# Altium PCB I2C_Jog_Controller.pcbdoc (part 1 of 6)
Units mm, origin at the board's own origin, x right, y up, seen from the top; angles counter-clockwise.
Board outline 94.01 x 162 mm, 4 copper layers (Top Layer, L1, L2, Bottom Layer), stack 1.606 mm thick; 147 components, 78 nets, 5389 pads, 241 vias.
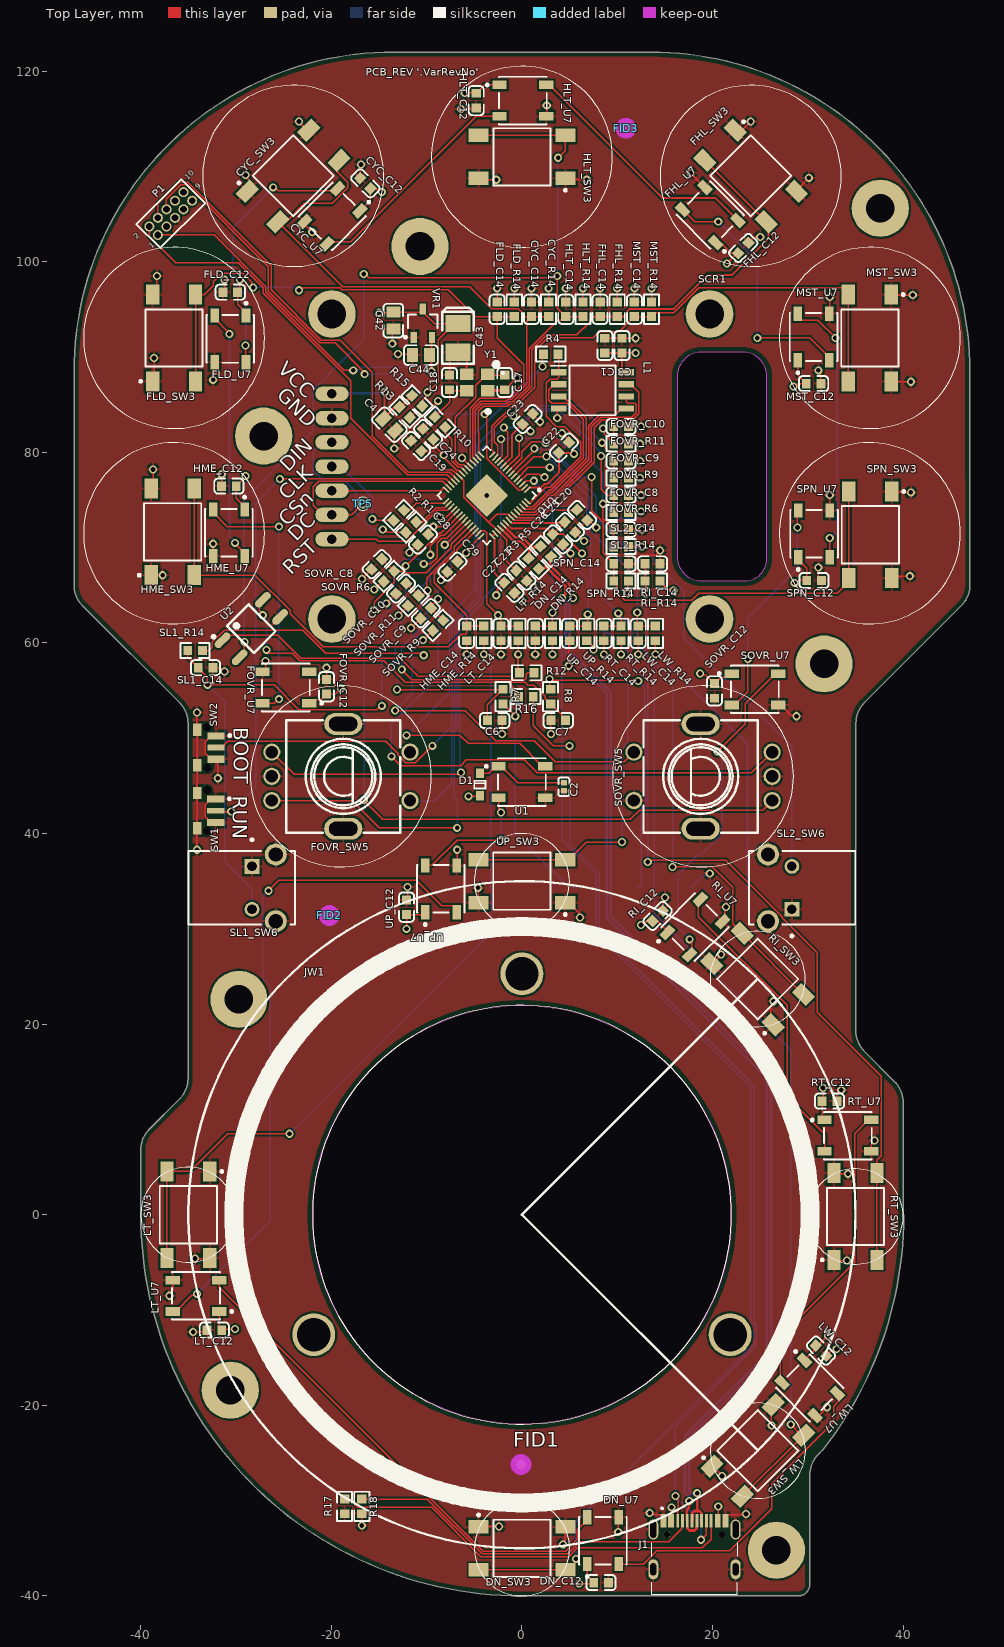
[diagram p0: Top Layer view]
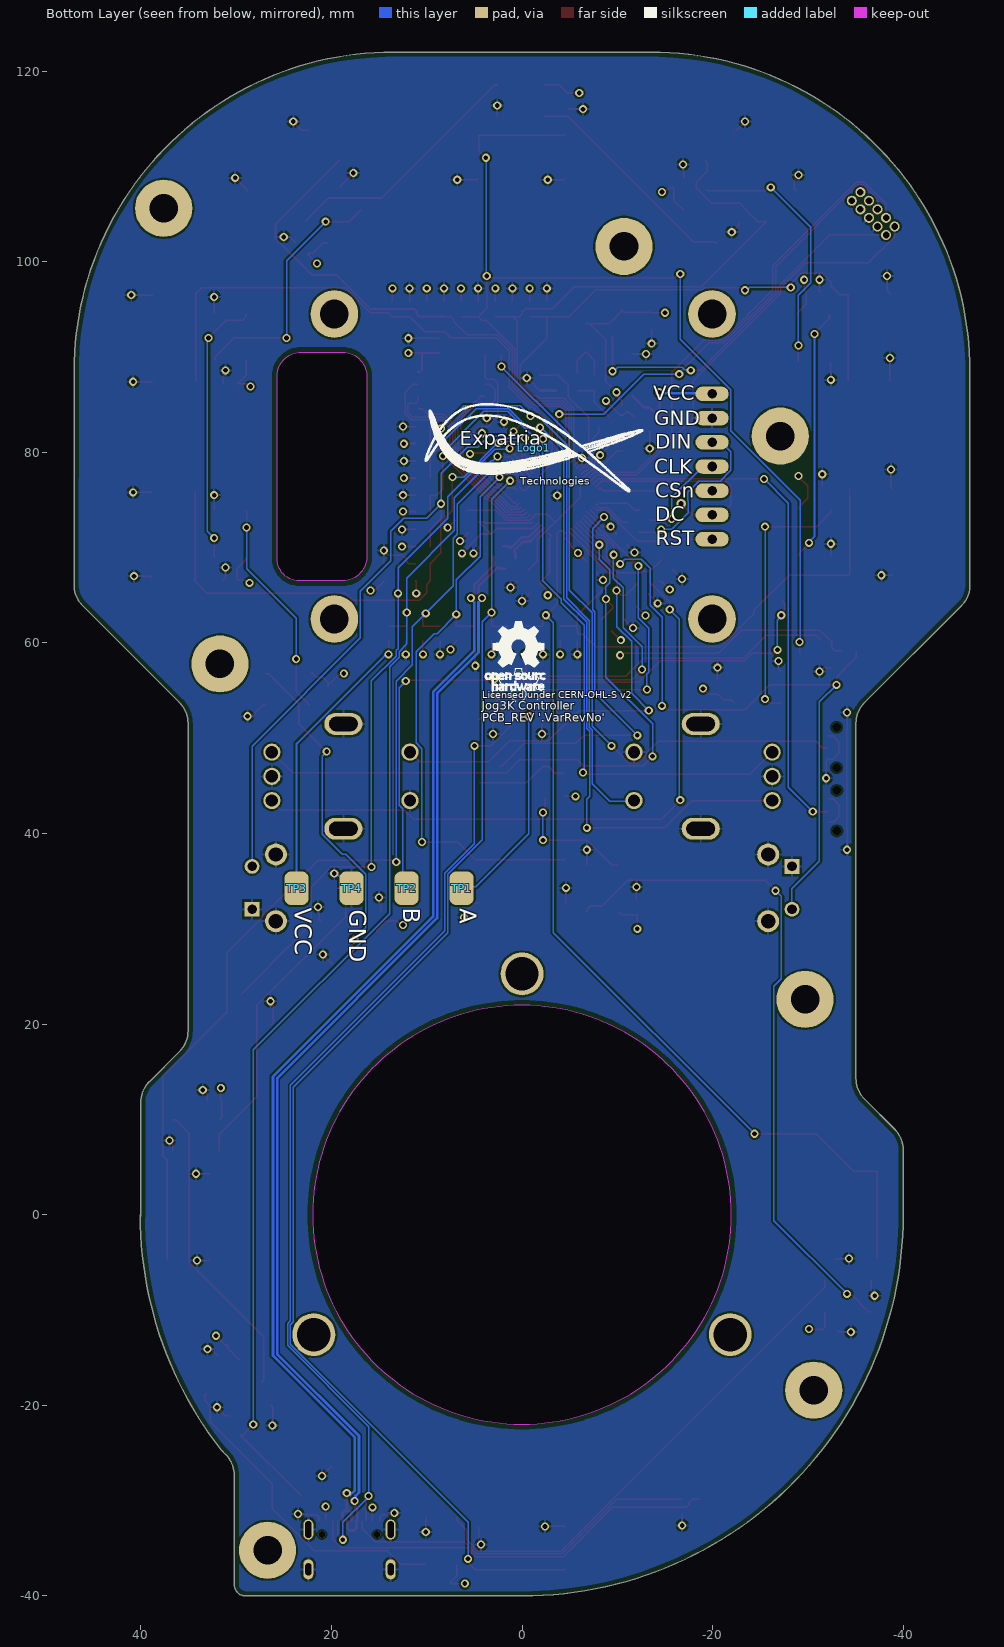
[diagram p1: Bottom Layer view, seen from below]
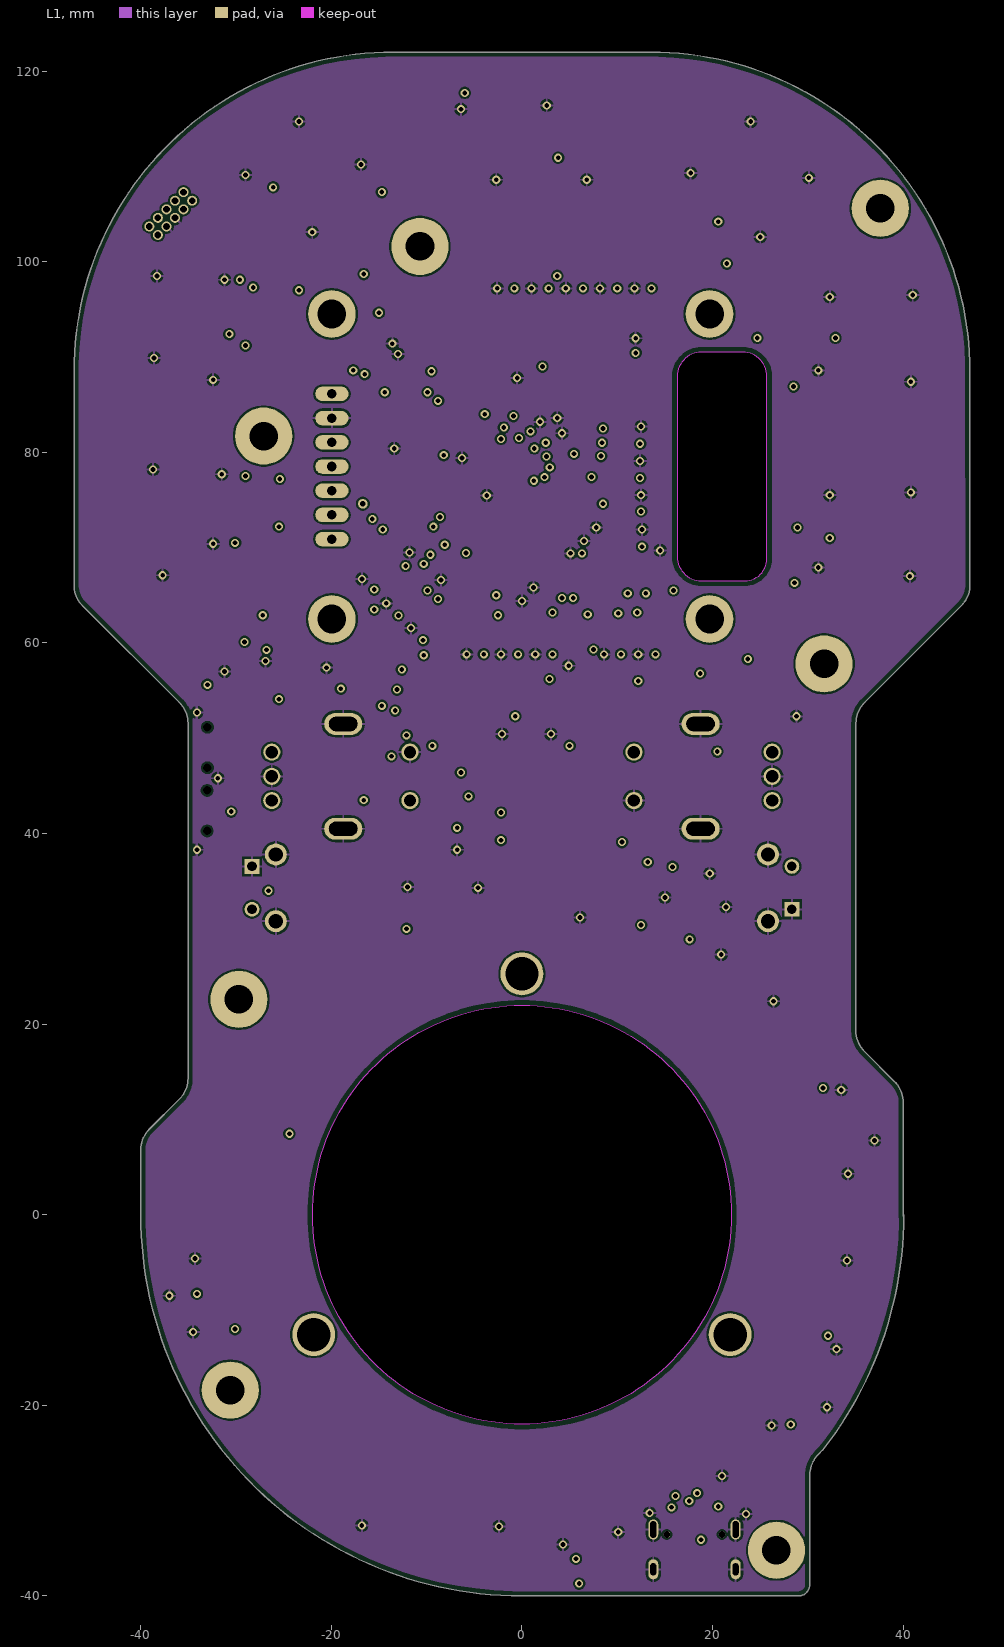
[diagram p2: L1]
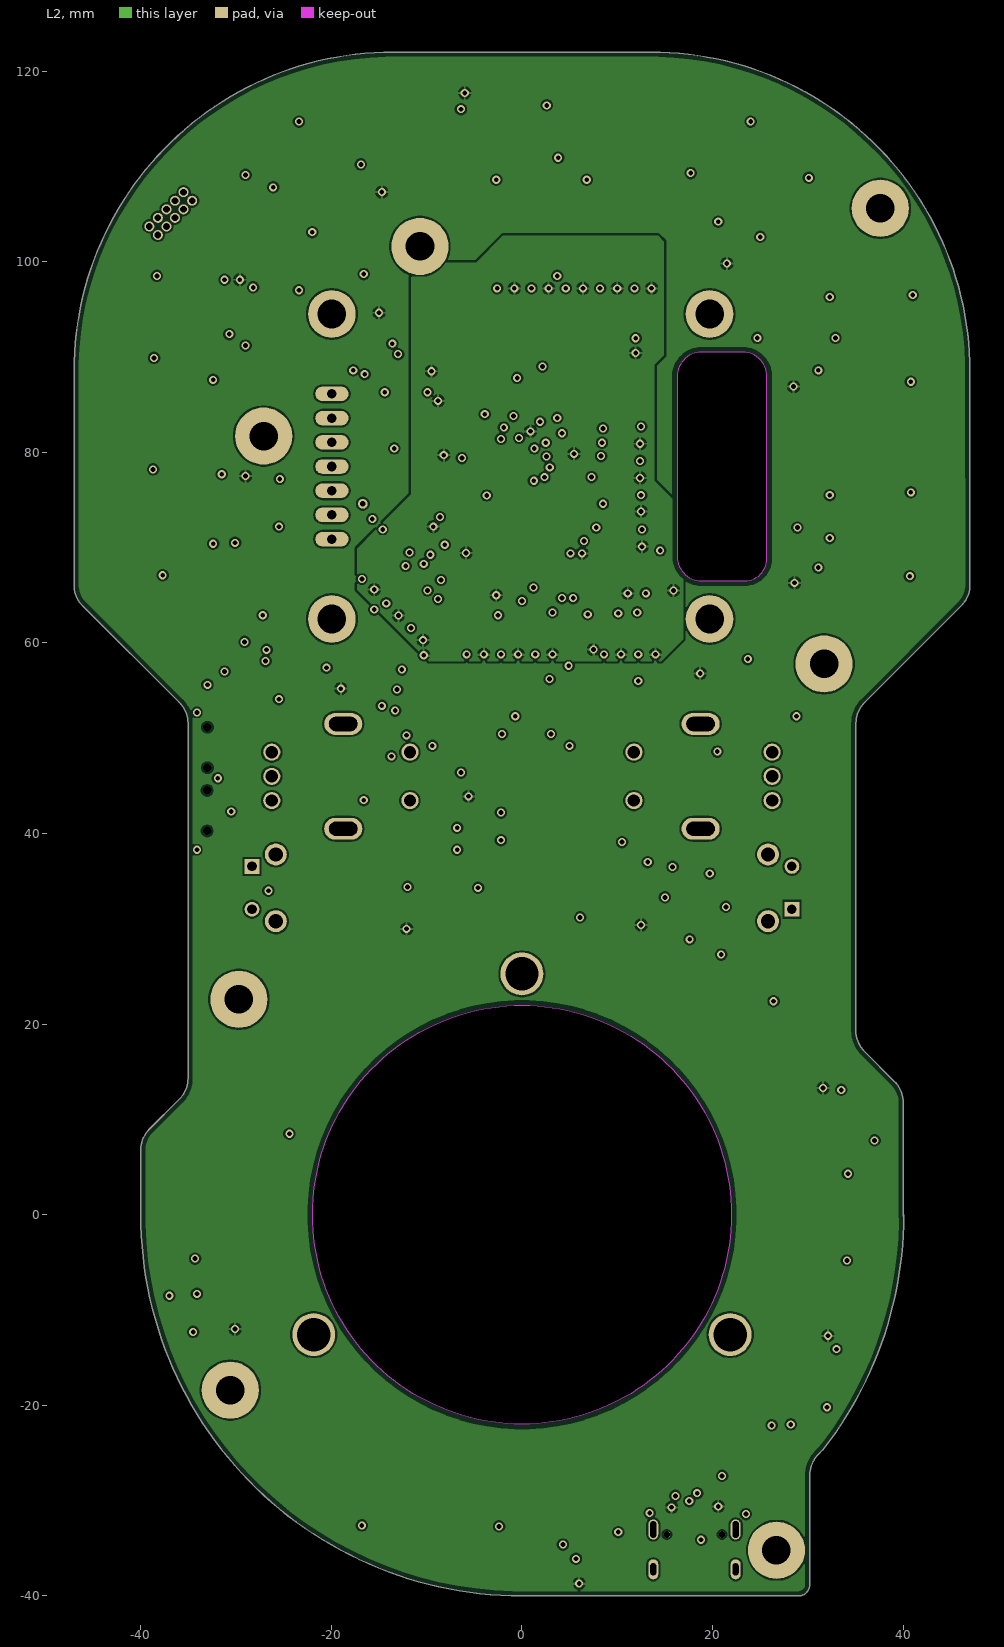
[diagram p3: L2]

## Layer stack, top to bottom
Top Solder: solder mask 0.0102, Solder Resist, Dk 3.5
Top Layer: signal copper 0.0356
Dielectric 1: prepreg 0.2, PP-006, Dk 4.1
L1: signal copper 0.035
Dielectric1: dielectric 1.065, FR-4, Dk 4.8
L2: signal copper 0.035
Dielectric 2: prepreg 0.2, PP-006, Dk 4.1
Bottom Layer: signal copper 0.0356
Bottom Solder: solder mask 0.0102, Solder Resist, Dk 3.5

## Board outline
-40,6.797 cw(c-39.998,6.797) -39.999,6.798 cw(c-36.933,6.798) -39.101,8.966 -35.935,12.132 ccw(c-38.103,14.3) -35.037,14.3 -35.037,51.567 ccw(c-38.103,51.567) -35.935,53.735 -46.102,63.902 cw(c-43.934,66.07) -47,66.07 -47,88.5 cw(c-13.5,88.5) -13.5,122 13.5,122 cw(c13.5,88.5) 47,88.5 47,66.079 47.009,66.079 cw(c43.943,66.079) 46.111,63.911 35.944,53.744 ccw(c38.112,51.576) 35.046,51.576 35.037,51.576 35.037,19.3 ccw(c38.103,19.3) 35.935,17.132 39.101,13.966 cw(c36.933,11.798) 39.999,11.798 39.999,-0.179 40.065,-0.018 cw(c0.065,-0.018) 31.55,-24.69 31.098,-25.142 ccw(c33.266,-27.31) 30.2,-27.31 30.2,-38.795 cw(c28.997,-38.795) 28.997,-39.997 28.997,-40.001 0,-40.001 cw(c0,-0.001) -40,-0.001
cut-out: 23.364,66.506 ccw(c23.364,68.842) 25.7,68.842 25.7,87.97 ccw(c23.16,87.97) 23.16,90.51 18.84,90.51 ccw(c18.84,87.97) 16.3,87.97 16.3,69.046 ccw(c18.84,69.046) 18.84,66.506 21.496,66.506

## Design rules (kind name [scope] priority, off if disabled: settings)
BoardOutlineClearance [OnLayer('Top Layer')] p1: gap=0.508 ignorepadtopadclearanceinfootprint=FALSE
BoardOutlineClearance BoardOutlineClearance_3 [OnLayer('L2')] p2: gap=0.508 ignorepadtopadclearanceinfootprint=FALSE
BoardOutlineClearance BoardOutlineClearance_2 [OnLayer('L1')] p3: gap=0.508 ignorepadtopadclearanceinfootprint=FALSE
BoardOutlineClearance BoardOutlineClearance_1 [OnLayer('Bottom Layer')] p4: gap=0.508 ignorepadtopadclearanceinfootprint=FALSE
Clearance [All] p1: gap=0.203 ignorepadtopadclearanceinfootprint=TRUE except(0: SMDPad-Hole Fill-Hole Poly-Hole Region-Hole Text-Hole; 0.127: Arc-Arc Arc-Track Track-Track; 0.152: Arc-SMDPad Arc-THPad Track-SMDPad Track-THPad; 0.254: Arc-Text Arc-Hole Track-Text Track-Hole SMDPad-Text THPad-Text Via-Via Via-Text Fill-Fill Fill-Poly Fill-Region Fill-Text Poly-Poly Poly-Region Poly-Text Region-Region Region-Text Text-Text; 0.305: SMDPad-Via THPad-Via; 0.5: THPad-Hole Via-Hole; 0.508: SMDPad-SMDPad SMDPad-THPad THPad-THPad)
Clearance "Pad Clearance" [IsPad vs IsPad] p2: gap=0.254 ignorepadtopadclearanceinfootprint=TRUE except(0: Arc-Hole Track-Hole SMDPad-Hole THPad-Hole Via-Hole Fill-Hole Poly-Hole Region-Hole Text-Hole; 0.203: Arc-Arc Arc-Track Arc-Fill Arc-Poly Arc-Region Track-Track Track-Fill Track-Poly Track-Region SMDPad-Fill SMDPad-Poly SMDPad-Region THPad-Fill THPad-Poly THPad-Region Via-Fill Via-Poly Via-Region; 0.305: SMDPad-Via THPad-Via; 0.508: SMDPad-SMDPad SMDPad-THPad THPad-THPad)
DiffPairsRouting USB_NETS [All] p1: maxlimit=0.254 minlimit=0.152 mostfreqgap=0.203 toplayer_maxgap=0.152 toplayer_prefgap=0.152 toplayer_minwidth=0.279 toplayer_maxwidth=0.279 toplayer_prefwidth=0.279 bottomlayer_maxgap=0.152 bottomlayer_prefgap=0.152 bottomlayer_minwidth=0.279 bottomlayer_maxwidth=0.279 bottomlayer_prefwidth=0.279 impedanceprofiledriven=TRUE impedanceprofileid={BF62627C-0514-4387-BC71-D33B9E8F6857} impedanceprofilevalue=90.000000 maxuncoupledlength=12.7
DiffPairsRouting [All] p2: maxlimit=0.254 minlimit=0.203 mostfreqgap=0.203 toplayer_minwidth=0.152 toplayer_maxwidth=0.381 toplayer_prefwidth=0.254 midlayer1_minwidth=0.152 midlayer1_maxwidth=0.381 midlayer1_prefwidth=0.254 midlayer2_minwidth=0.152 midlayer2_maxwidth=0.381 midlayer2_prefwidth=0.254 bottomlayer_minwidth=0.152 bottomlayer_maxwidth=0.381 bottomlayer_prefwidth=0.254 maxuncoupledlength=12.7
HoleSize [All] p1: absolutevalues=TRUE maxlimit=5.08 minlimit=0.025 maxpercent=80.000 minpercent=20.000
MinimumAnnularRing [All] p1: minimumring=0.16
MinimumSolderMaskSliver [All] p1: minsoldermaskwidth=0.127
PolygonConnect [All] p1: connectstyle=Relief reliefconductorwidth=0.254 reliefentries=4 polygonreliefangle="90 Angle" airgapwidth=0.254
RoomDefinition SPN [InComponentClass('SPN')] p1: confinementstyle=ConfineIn formatcopy=TRUE lockcomponents=FALSE outline 28.7,65.65 40.15,65.65 40.15,77.15 28.7,77.15
RoomDefinition MST [InComponentClass('MST')] p2: confinementstyle=ConfineIn formatcopy=TRUE lockcomponents=FALSE outline 28.65,86.3 40.1,86.3 40.1,97.8 28.65,97.8
RoomDefinition HME [InComponentClass('HME')] p3: confinementstyle=ConfineIn formatcopy=TRUE lockcomponents=FALSE outline -28.8,77.35 -40.25,77.35 -40.25,65.85 -28.8,65.85
RoomDefinition HLT [InComponentClass('HLT')] p4: confinementstyle=ConfineIn formatcopy=TRUE lockcomponents=FALSE outline -5.7,118.85 -5.7,107.4 5.8,107.4 5.8,118.85
RoomDefinition FLD [InComponentClass('FLD')] p5: confinementstyle=ConfineIn formatcopy=TRUE lockcomponents=FALSE outline -28.65,97.7 -40.1,97.7 -40.1,86.2 -28.65,86.2
RoomDefinition FHL [InComponentClass('FHL')] p6: confinementstyle=ConfineIn formatcopy=TRUE lockcomponents=FALSE outline 22.48,99.419 30.576,107.515 22.444,115.647 14.348,107.55
RoomDefinition CYC [InComponentClass('CYC')] p7: confinementstyle=ConfineIn formatcopy=TRUE lockcomponents=FALSE outline -14.419,107.48 -22.515,115.576 -30.647,107.444 -22.55,99.348
RoutingVias [All] p1: holewidth=0.711 width=1.27 viastyle="Through Hole" minholewidth=0.711 minwidth=1.27 maxholewidth=0.711 maxwidth=1.27 useviatemplates=TRUE viatemplateguid#1={D159A7BD-32C8-41FA-B8A9-B71945E86BB4} viatemplateguid#2={258D7197-C609-4471-9505-9E0C03CAD9C0} viatemplateguid#3={A0F372F0-0D32-4FE2-BE65-217E28AB4F04} viatemplatename#1=v85h50 viatemplatename#2=v127h71 viatemplatename#3=v60h25_2670034071
SilkToSolderMaskClearance SilkscreenOverComponentPads [IsPad] p1: minsilkscreentomaskgap=0.254 clearancetoexposedcopper=TRUE
SolderMaskExpansion [All] p1: expansion=0.102 istentingtop=FALSE
ViasUnderSMD [All] p1: allowed=FALSE
Width [All] p1: maxlimit=5.08 minlimit=0.152 preferedwidth=0.203 minimp=50.000000 maximp=50.000000 favimp=50.000000
26 further rules are at their usual default settings.

## Classes and differential pairs
net class USB_D90: USB_D_N USB_D_P
channel class PushButtonQuadrant: DN LT LW RI RT UP
channel class PushButtonside: SL1 SL2
component class SL2: SL2_C14 SL2_R14 SL2_SW6
channel class 12mm_rotary_knob: FOVR SOVR
component class SOVR: SOVR_C8 SOVR_C9 SOVR_C10 SOVR_C12 SOVR_R6 SOVR_R9 SOVR_R11 SOVR_SW5 SOVR_U7
component class SL1: SL1_C14 SL1_R14 SL1_SW6
component class FOVR: FOVR_C8 FOVR_C9 FOVR_C10 FOVR_C12 FOVR_R6 FOVR_R9 FOVR_R11 FOVR_SW5 FOVR_U7
component class HME: HME_C12 HME_C14 HME_R14 HME_SW3 HME_U7
component class UP: UP_C12 UP_C14 UP_R14 UP_SW3 UP_U7
component class RT: RT_C12 RT_C14 RT_R14 RT_SW3 RT_U7
component class LW: LW_C12 LW_C14 LW_R14 LW_SW3 LW_U7
component class SPN: SPN_C12 SPN_C14 SPN_R14 SPN_SW3 SPN_U7
component class FLD: FLD_C12 FLD_C14 FLD_R14 FLD_SW3 FLD_U7
component class MST: MST_C12 MST_C14 MST_R14 MST_SW3 MST_U7
component class CYC: CYC_C12 CYC_C14 CYC_R14 CYC_SW3 CYC_U7
component class FHL: FHL_C12 FHL_C14 FHL_R14 FHL_SW3 FHL_U7
component class HLT: HLT_C12 HLT_C14 HLT_R14 HLT_SW3 HLT_U7
component class LT: LT_C12 LT_C14 LT_R14 LT_SW3 LT_U7
component class DN: DN_C12 DN_C14 DN_R14 DN_SW3 DN_U7
channel class PushButtonBlack: CYC FHL FLD HLT HME MST SPN
component class RI: RI_C12 RI_C14 RI_R14 RI_SW3 RI_U7
component class "Jog3K Host Module": C1 C2 C3 C4 C6 C7 C17 C18 C19 C20 C21 C22 C23 C24 C25 C26 C27 C28 C29 C42 C43 C44 D1 J1 JW1 L1 P1 R1 R2 R3 R4 R5 R7 R8 R10 R12 R13 R15 R16 R17 R18 R? SCR1 SW1 SW2 TP1 TP2 TP3 TP4 TP5 U1 U2 U10 VR1 Y1
differential pair USB_D_R: +USB_D_R_P -USB_D_R_N
differential pair USB_D: +USB_D_P -USB_D_N

## Components (designator, comment, footprint, x,y, rotation, side; value= is the part's Value field where it differs from the comment)
C1 "100nF" 0603_C 8.7,91.2 r270 top
C2 "1.0uF" 0402_C 4.4,44.9 r90 top
C3 "4.7uF" 0603_C 10.5,91.2 r270 top
C4 "22uF" 0805_C -13.9,82.9 r135 top
C6 "100nF" 0603_C -2.86,51.868 r180 top
C7 "100nF" 0603_C 3.81,51.867 r0 top
C17 "10pF" 0603_C -1.8,87.33 r270 top
C18 "10pF" 0603_C -7.6,87.33 r90 top
C19 "100nF" 0603_C -11.095,80.668 r315 top
C20 "100nF" 0603_C 6.316,73.417 r135 top
C21 "1uF" 0603_C -0.048,67.053 r135 top
C22 "1uF" 0603_C 4.4,80.5 r225 top
C23 "100nF" 0603_C 0.6,83.5 r225 top
C24 "100nF" 0603_C -9.845,81.918 r315 top
C25 "100nF" 0603_C 5.043,72.144 r135 top
C26 "100nF" 0603_C 3.77,70.871 r135 top
C27 "100nF" 0603_C -1.321,65.78 r135 top
C28 "100nF" 0603_C -10.383,70.841 r45 top
C29 "100nF" 0603_C -7.3,68 r45 top
C42 "22uF" 0805_C -13.5,93.82 r90 top
C43 "100uF" CASE-B_3528 -6.7,92 r90 top
C44 "22uF" 0805_C -10.6,90.2 r0 top
CYC_C12 "1uF" 0603_C -16.434,108.222 r315 top (schematic designator C12)
CYC_C14 "100nF" 0603_C 1,95 r90 top locked (schematic designator C14)
CYC_R14 "1KΩ ±1%" 0603_R 2.8,95 r270 top locked (schematic designator R14)
CYC_SW3 "K2-1102SP-C4SC-04" TECO-FSM4JSMATR_V -24,109 r135 top (schematic designator SW3)
CYC_U7 "WS2812B-B/W" ADA-RGB-1655_V -19.899,104.757 r225 top (schematic designator U7)
D1 "1N4148WS T4" SOD-323 -4.408,45.141 r270 top
DN_C12 "1uF" 0603_C 8.3,-38.6 r180 top (schematic designator C12)
DN_C14 "1uF" 0603_C 1.4,61 r270 top locked (schematic designator C14)
DN_R14 "1KΩ ±1%" 0603_R 3.2,61 r90 top locked (schematic designator R14)
DN_SW3 "K2-1102SP-C4SC-04" TECO-FSM4JSMATR_V -0.002,-35 r90 top (schematic designator SW3)
DN_U7 "WS2812B-B/W" ADA-RGB-1655_V 8.498,-34.2 r90 top (schematic designator U7)
FHL_C12 "1uF" 0603_C 23.222,101.434 r225 top (schematic designator C12)
FHL_C14 "100nF" 0603_C 8.2,95 r90 top locked (schematic designator C14)
FHL_R14 "1KΩ ±1%" 0603_R 10,95 r270 top locked (schematic designator R14)
FHL_SW3 "K2-1102SP-C4SC-04" TECO-FSM4JSMATR_V 24,109 r45 top (schematic designator SW3)
FHL_U7 "WS2812B-B/W" ADA-RGB-1655_V 19.757,104.899 r135 top (schematic designator U7)
FID1 "Fiducial" Fiducial10-20 -0.1,-26.2 r90 top
FID2 "Fiducial" Fiducial10-20 -20.2,31.4 r90 top
FID3 "Fiducial" Fiducial10-20 10.9,114 r90 top
FLD_C12 "1uF" 0603_C -30.6,96.8 r0 top (schematic designator C12)
FLD_C14 "100nF" 0603_C -2.6,95 r90 top locked (schematic designator C14)
FLD_R14 "1KΩ ±1%" 0603_R -0.8,95 r270 top locked (schematic designator R14)
FLD_SW3 "K2-1102SP-C4SC-04" TECO-FSM4JSMATR_V -36.5,92 r180 top (schematic designator SW3)
FLD_U7 "WS2812B-B/W" ADA-RGB-1655_V -30.6,91.9 r270 top (schematic designator U7)
FOVR_C8 "100nF" 0603_C 10.4,75.5 r0 top (schematic designator C8)
FOVR_C9 "100nF" 0603_C 10.4,79.1 r180 top (schematic designator C9)
FOVR_C10 "100nF" 0603_C 10.4,82.7 r180 top (schematic designator C10)
FOVR_C12 "1uF" 0603_C -20.5,55.4 r270 top (schematic designator C12)
FOVR_R6 "1KΩ ±1%" 0603_R 10.4,73.7 r180 top (schematic designator R6)
FOVR_R9 "1KΩ ±1%" 0603_R 10.4,77.3 r180 top (schematic designator R9)
FOVR_R11 "1KΩ ±1%" 0603_R 10.4,80.9 r180 top (schematic designator R11)
FOVR_SW5 "15ppr encoder" SW-TH_EC11E15244G1 -19,46 r270 top (schematic designator SW5)
FOVR_U7 "WS2812B-B/W" ADA-RGB-1655_V -24.766,55.321 r180 top (schematic designator U7)
HLT_C12 "1uF" 0603_C -4.8,116.9 r90 top (schematic designator C12)
HLT_C14 "100nF" 0603_C 4.6,95 r90 top locked (schematic designator C14)
HLT_R14 "1KΩ ±1%" 0603_R 6.4,95 r270 top locked (schematic designator R14)
HLT_SW3 "K2-1102SP-C4SC-04" TECO-FSM4JSMATR_V 0,111 r270 top (schematic designator SW3)
HLT_U7 "WS2812B-B/W" ADA-RGB-1655_V 0.1,116.9 r0 top (schematic designator U7)
HME_C12 "1uF" 0603_C -30.75,76.45 r0 top (schematic designator C12)
HME_C14 "100nF" 0603_C -5.8,61 r270 top locked (schematic designator C14)
HME_R14 "1KΩ ±1%" 0603_R -4,61 r90 top locked (schematic designator R14)
HME_SW3 "K2-1102SP-C4SC-04" TECO-FSM4JSMATR_V -36.65,71.65 r180 top (schematic designator SW3)
HME_U7 "WS2812B-B/W" ADA-RGB-1655_V -30.75,71.55 r270 top (schematic designator U7)
J1 "TYPE-C-31-M-12" HRO_TYPE-C-31-M-12 18.1,-37.2 r0 top
JW1 "60mm Jog Wheel" 60mm_Jog_wheel 0,0 r0 top locked
L1 "W25Q16JVSSIQ" SOIC127P780X195-8N 7.4,86.5 r0 top
Logo1 "Expatria" Expatria-Logo -1129.049,1186.885 r180 bottom value="SBT LOGO"
LT_C12 "1uF" 0603_C -32.27,-12.101 r0 top (schematic designator C12)
LT_C14 "1uF" 0603_C -2.2,61 r270 top locked (schematic designator C14)
LT_R14 "1KΩ ±1%" 0603_R -0.4,61 r90 top locked (schematic designator R14)
LT_SW3 "K2-1102SP-C4SC-04" TECO-FSM4JSMATR_V -35,-0.001 r0 top (schematic designator SW3)
LT_U7 "WS2812B-B/W" ADA-RGB-1655_V -34.2,-8.501 r180 top (schematic designator U7)
LW_C12 "1uF" 0603_C 31.379,-14.258 r135 top (schematic designator C12)
LW_C14 "1uF" 0603_C 12.2,61 r270 top locked (schematic designator C14)
LW_R14 "1KΩ ±1%" 0603_R 14,61 r90 top locked (schematic designator R14)
LW_SW3 "K2-1102SP-C4SC-04" TECO-FSM4JSMATR_V 24.753,-24.744 r135 top (schematic designator SW3)
LW_U7 "WS2812B-B/W" ADA-RGB-1655_V 30.198,-18.168 r315 top (schematic designator U7)
MST_C12 "1uF" 0603_C 30.6,87.2 r180 top (schematic designator C12)
MST_C14 "100nF" 0603_C 11.8,95 r90 top locked (schematic designator C14)
MST_R14 "1KΩ ±1%" 0603_R 13.6,95 r270 top locked (schematic designator R14)
MST_SW3 "K2-1102SP-C4SC-04" TECO-FSM4JSMATR_V 36.5,92 r0 top (schematic designator SW3)
MST_U7 "WS2812B-B/W" ADA-RGB-1655_V 30.6,92.1 r90 top (schematic designator U7)
P1 "62201021121" 62201021121 -36.851,105.047 r45 top
R1 "22Ω ±1%" 0603_R -11.634,72.135 r45 top
R2 "22Ω ±1%" 0603_R -12.928,73.387 r45 top
R3 "22Ω ±1%" 0603_R 1.224,68.325 r135 top
R4 "1KΩ ±1%" 0603_R 3.03,90.3 r0 top
R5 "22Ω ±1%" 0603_R 2.497,69.598 r135 top
R7 "470Ω ±1%" 0603_R -1.99,54.367 r270 top
R8 "470Ω ±1%" 0603_R 3.01,54.367 r90 top
R10 "470Ω ±1%" 0603_R -8.595,83.168 r315 top
R12 "470Ω ±1%" 0603_R 0.51,56.867 r180 top
R13 "0Ω ±1%" 0603_R -12.3,84.2 r315 top
R15 "0Ω ±1%" 0603_R -11,85.4 r135 top
R16 "0Ω ±1%" 0603_R 0.41,54.367 r180 top
R17 "5.1KΩ ±1%" 0603_R -18.605,-30.601 r270 top
R18 "5.1KΩ ±1%" 0603_R -16.805,-30.601 r270 top
RI_C12 "1uF" 0603_C 14.241,31.362 r225 top (schematic designator C12)
RI_C14 "1uF" 0603_C 13.7,68.3 r0 top locked (schematic designator C14)
RI_R14 "1KΩ ±1%" 0603_R 13.7,66.5 r180 top locked (schematic designator R14)
RI_SW3 "K2-1102SP-C4SC-04" TECO-FSM4JSMATR_V 24.728,24.736 r225 top (schematic designator SW3)
RI_U7 "WS2812B-B/W" ADA-RGB-1655_V 18.152,30.181 r45 top (schematic designator U7)
RT_C12 "1uF" 0603_C 32.27,11.921 r180 top (schematic designator C12)
RT_C14 "1uF" 0603_C 8.6,61 r270 top locked (schematic designator C14)
RT_R14 "1KΩ ±1%" 0603_R 10.4,61 r90 top locked (schematic designator R14)
RT_SW3 "K2-1102SP-C4SC-04" TECO-FSM4JSMATR_V 35,-0.179 r180 top (schematic designator SW3)
RT_U7 "WS2812B-B/W" ADA-RGB-1655_V 34.2,8.3 r0 top (schematic designator U7)
SCR1 "1.5inch OLED" 1.5inch_Waveshare_OLED 0,78 r0 top locked
SL1_C14 "100nF" 0603_C -33.2,57.4 r0 top (schematic designator C14)
SL1_R14 "1KΩ ±1%" 0603_R -34.3,59.2 r180 top (schematic designator R14)
SL1_SW6 "B3F-3152" FP-B3F-3152-MFG -29.4,34.3 r270 top (schematic designator SW6)
SL2_C14 "100nF" 0603_C 10.4,71.9 r0 top (schematic designator C14)
SL2_R14 "1KΩ ±1%" 0603_R 10.4,70.1 r180 top (schematic designator R14)
SL2_SW6 "B3F-3152" FP-B3F-3152-MFG 29.4,34.3 r90 top (schematic designator SW6)
SOVR_C8 "100nF" 0603_C -15.233,68.259 r225 top (schematic designator C8)
SOVR_C9 "100nF" 0603_C -10.087,63.114 r45 top (schematic designator C9)
SOVR_C10 "100nF" 0603_C -12.679,65.705 r45 top (schematic designator C10)
SOVR_C12 "1uF" 0603_C 20.2,54.97 r90 top (schematic designator C12)
SOVR_R6 "1KΩ ±1%" 0603_R -13.96,66.986 r45 top (schematic designator R6)
SOVR_R9 "1KΩ ±1%" 0603_R -8.815,61.841 r45 top (schematic designator R9)
SOVR_R11 "1KΩ ±1%" 0603_R -11.406,64.432 r45 top (schematic designator R11)
SOVR_SW5 "15ppr encoder" SW-TH_EC11E15244G1 19,46 r90 top (schematic designator SW5)
SOVR_U7 "WS2812B-B/W" ADA-RGB-1655_V 24.449,55.133 r0 top (schematic designator U7)
SPN_C12 "1uF" 0603_C 30.65,66.55 r180 top (schematic designator C12)
SPN_C14 "100nF" 0603_C 10.4,68.3 r0 top locked (schematic designator C14)
SPN_R14 "1KΩ ±1%" 0603_R 10.4,66.5 r180 top locked (schematic designator R14)
SPN_SW3 "K2-1102SP-C4SC-04" TECO-FSM4JSMATR_V 36.55,71.35 r0 top (schematic designator SW3)
SPN_U7 "WS2812B-B/W" ADA-RGB-1655_V 30.65,71.45 r90 top (schematic designator U7)
SW1 "SKRTLAE010" ALPS-SKRTLAE010_V -33.1,42.4 r270 top
SW2 "SKRTLAE010" ALPS-SKRTLAE010_V -33.075,49.025 r270 top
TP1 "2.5mm TP" TP_SQ_2.5mm 6.341,34.258 r180 bottom value="Test Loop"
TP2 "2.5mm TP" TP_SQ_2.5mm 12.114,34.258 r180 bottom value="Test Loop"
TP3 "2.5mm TP" TP_SQ_2.5mm 23.659,34.258 r0 bottom value="Test Loop"
TP4 "2.5mm TP" TP_SQ_2.5mm 17.886,34.258 r0 bottom value="Test Loop"
TP5 "TESTPOINT" TP/SMALL -16.7,74.6 r90 top value=Testpoint
U1 "WS2812B-B/W" ADA-RGB-1655_V 0,45.4 r0 top
U2 "EL357N(B)(TA)-G" SOP-4_P2.54 -28.4,61.5 r45 top
U10 "RP2040" RP2040 -3.695,75.468 r225 top
UP_C12 "1uF" 0603_C -12.107,32.27 r270 top (schematic designator C12)
UP_C14 "1uF" 0603_C 5,61 r270 top locked (schematic designator C14)
UP_R14 "1KΩ ±1%" 0603_R 6.8,61 r90 top locked (schematic designator R14)
UP_SW3 "K2-1102SP-C4SC-04" TECO-FSM4JSMATR_V -0.007,35 r270 top (schematic designator SW3)
UP_U7 "WS2812B-B/W" ADA-RGB-1655_V -8.507,34.2 r90 top (schematic designator U7)
VR1 "XC6206P332MR" SOT-23-3L -10.4,93.538 r270 top
Y1 "YSX321SL" YSX321SL -4.7,87.33 r180 top

## Footprints (in the part's own frame and the unit in brackets; to place one, negate y for a bottom-side part, rotate by r counter-clockwise, add the part's x,y. Pads: shape width x height; smd on the part's side, far side on the other; paste and mask are expansions set on the pad)
1.5inch_Waveshare_OLED [mm]
  oval 3.5x1.524 hole 1: 1(-19.939,8.128) 2(-19.939,5.588) 3(-19.939,3.048) 4(-19.939,0.508) 5(-19.939,-2.032) 6(-19.939,-4.572) 7(-19.939,-7.112)
  round 5 hole 3: 8(-19.939,16.51) 9(19.685,16.51) 10(19.685,-15.494) 11(-19.939,-15.494)
  body extent -22.63,-18.2 22.37,19.3, height 11.9
60mm_Jog_wheel [mm]
  round 4.5 hole 3.5: MNT1(0,25.273) MNT2(21.844,-12.573) MNT3(-21.844,-12.573)
  Top Layer keep-out circle w0.5: c0,0 r30.227
  Keep-Out Layer board cut-out: 0,-21.971 -8.408,-20.299 -15.536,-15.536 -20.299,-8.408 -21.971,0 -21.971,0 -20.299,8.408 -15.536,15.536 -8.408,20.299 0,21.971 0,21.971 8.408,20.299 15.536,15.536 20.299,8.408 21.971,0 21.971,0 20.299,-8.408 15.536,-15.536 8.408,-20.299 0,-21.971
  silkscreen extent -30.23,-30.22 30.23,30.22, body extent -30.17,-30.18 30.17,30.17, height 38.35
0402_C [mm]
  rect 0.6x0.65 smd mask+0.051: 1(-0.425,0) 2(0.425,0)
  silkscreen extent -0.97,-0.58 0.98,0.58, body extent -0.48,-0.3 0.52,0.3, height 0.2
0603_C [mm]
  rect 0.93x0.98 smd: 1(-0.77,0) 2(0.77,0)
  silkscreen extent -1.54,-0.79 1.54,0.79, body extent -0.8,-0.4 0.8,0.4, height 0.3
0603_R [mm]
  rect 0.93x0.98 smd: 1(-0.77,0) 2(0.77,0)
  silkscreen extent -1.53,-0.79 1.54,0.79, body extent -0.85,-0.4 0.85,0.4, height 0.56
0805_C [mm]
  rect 1.16x1.47 smd: 1(-0.89,0) 2(0.89,0)
  silkscreen extent -1.77,-1.04 1.77,1.04, body extent -1,-0.62 1,0.63, height 0.77
62201021121 [mm] "Pin Header, pitch 1.27 mm, THT, Vertical, dual row, 10p"
  round 1.05 hole 0.7: 1(-2.54,-0.635) 2(-2.54,0.635) 3(-1.27,-0.635) 4(-1.27,0.635) 5(0,-0.635) 6(0,0.635) 7(1.27,-0.635) 8(1.27,0.635) 9(2.54,-0.635) 10(2.54,0.635)
  silkscreen extent -3.32,-1.77 3.32,1.77, body extent -3.17,-1.7 3.18,1.7, height 5.33
ADA-RGB-1655_V [mm] "SMD, 4-Leads, Body 5x5mm"
  rect 1.5x0.9 smd: 1(-2.45,1.65) 2(-2.45,-1.65) 3(2.45,-1.65) 4(2.45,1.65)
  silkscreen extent -3.87,-2.5 2.5,2.5, body extent -2.7,-2.5 2.7,2.5, height 1.68
ALPS-SKRTLAE010_V [mm] "SMD, 3-Leads, Body 4.5x3.55mm, Pitch 1.225mm"
  rect 0.75x1.8 smd: 1(-1.225,0.975) 3(1.225,0.975)
  rect 0.6x1.8 smd: 2(0,0.975)
  round 0 hole 0.9 unplated: MH1(-2.125,0.075) MH2(2.125,0.075)
  rect 1.3x0.9 smd: MP1(-1.85,-0.975) MP2(1.85,-0.975)
  silkscreen extent -1.38,2.3 -1.13,2.55, body extent -2.25,-1.94 2.25,1.61, height 3.36
CASE-B_3528 [mm]
  rect 1.8x2.6 smd: 1(1.5,0) 2(-1.5,0)
  silkscreen extent -2.73,-1.65 3.16,1.65, body extent -1.85,-1.47 1.85,1.46, height 2.03
Expatria-Logo [mil] "Expatria DXF logo"